# KiCad board EC87.kicad_pcb (continued)
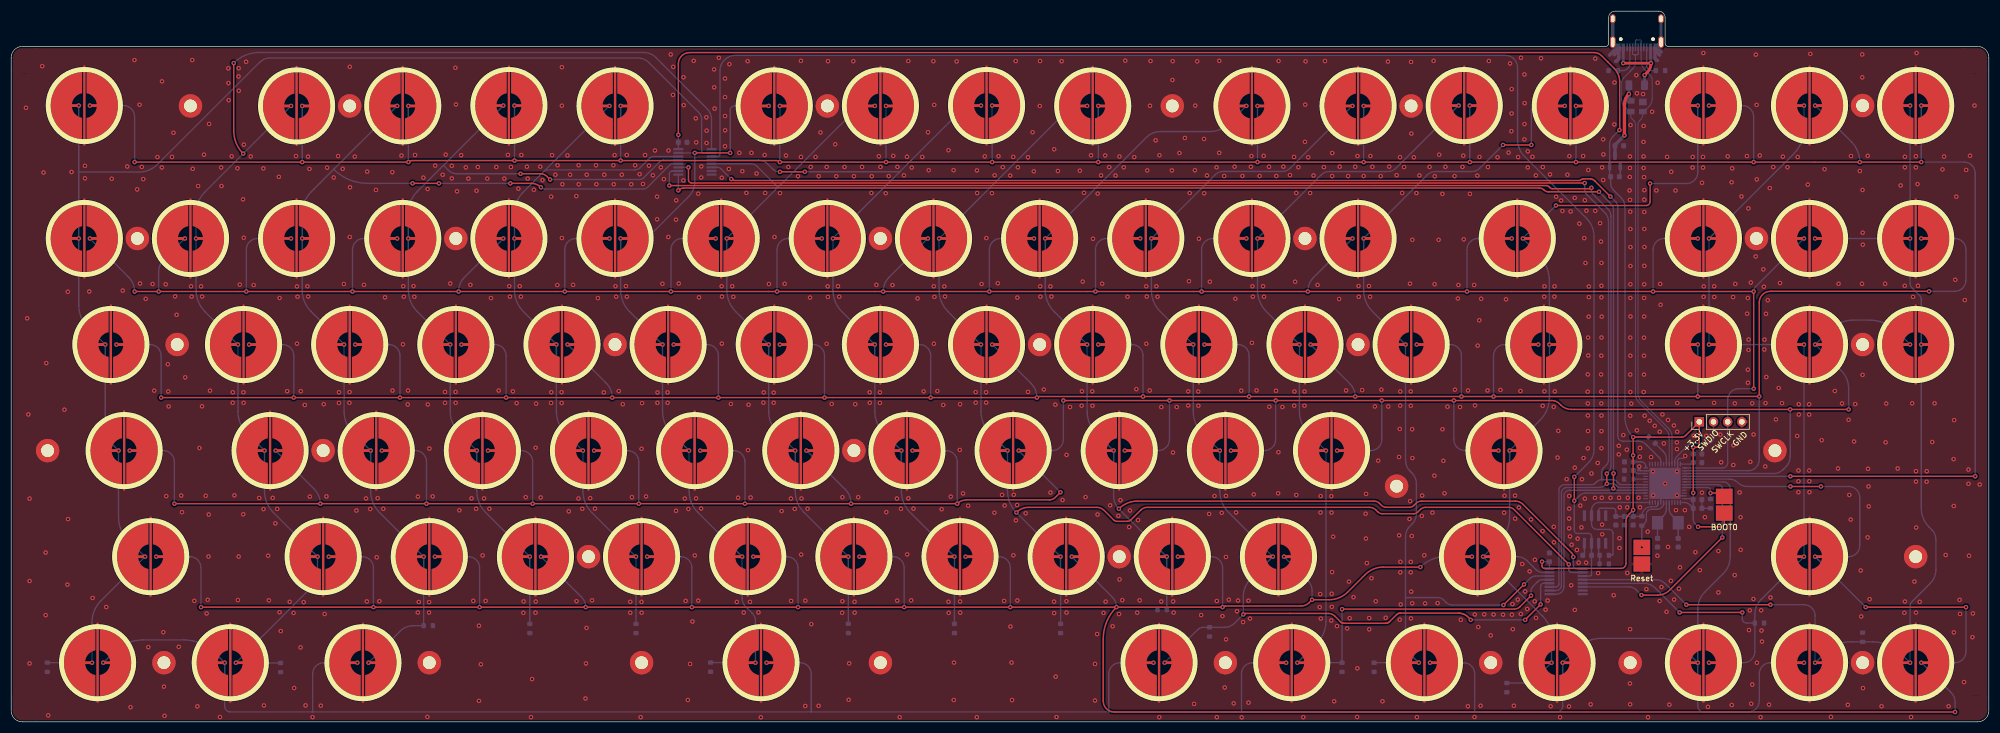
[diagram p0: board, top side]
## Routing (per net, layer and track width the routed paths; a pad name or vN(x,y) marks a point on that pad's centre or on a via; arc(x,y) is an arc through that point)
+5V: length 14.9
  Top w0.6: v1(288.77,105.06) 288.77,110.54 arc(288.98,111.59) v1(289.58,112.48)
  Bottom w0.6: F1.1 v1(289.58,112.48) 289.58,111.75 arc(289.62,111.55) 289.73,111.39 D1.4 ; 287.07,101.39 U5.3 arc(287.08,101.39) 287.08,101.4 C15.1 arc(287.11,103.35) 287.19,103.48 v1(288.77,105.06)
GND: length 52.4
  Top w0.6: USB1.13 286.86,121.77 ; USB1.13 295.14,121.77
  Bottom w0.25: U1.49 v1(296.07,42.7) v1(298.17,40.6) 298.28,40.49 U1.47 ; U1.49 295.28,41.99 U1.8 ; U1.49 v1(298.16,44.87) 298.28,44.99 U1.35 298.28,46.94 298.54,47.2 299.36,47.2 ; U1.49 v1(293.89,44.88) 293.78,44.99 U1.23 291.73,44.99 ; U5.1 288.02,97.81 287.86,97.65 ; C5.2 C2.2 302.64,38.25 R6.2 ; U3.4 281.61,30.12 arc(281.53,29.92) C10.2 ; 291.73,44.99 291.47,45.25 291.47,45.5 ; 291.73,44.99 291.28,44.99 arc(291.24,44.99) 291.2,45.02 291.2,45.2 arc(291.21,45.22) 291.21,45.23
  Bottom w0.6: USB1.13 286.68,122.42 arc(286.8,121.82) 287.14,121.31 287.54,120.92 arc(287.61,120.87) 287.69,120.85 ; 287.18,118.34 287.26,118.34 arc(287.32,118.35) 287.38,118.39 287.55,118.56 arc(287.72,118.81) 287.78,119.1 287.78,120.76 ; 294.32,120.85 294.35,120.85 arc(294.46,120.83) 294.56,120.77 295.34,119.99 ; 294.32,120.85 arc(294.26,120.83) 294.23,120.76 ; 294.32,120.85 arc(294.4,120.87) 294.47,120.92 294.87,121.31 arc(295.2,121.82) 295.32,122.42 USB1.13 ; 294.32,120.85 arc(294.26,120.83) 294.23,120.76 ; 286.11,119.43 287.45,120.77 arc(287.55,120.83) 287.66,120.85 287.69,120.85 ; 287.78,120.76 287.78,120.57 arc(287.73,120.32) 287.58,120.1 286.97,119.49 ; 287.78,120.76 arc(287.75,120.83) 287.69,120.85 ; 287.78,120.76 arc(287.75,120.83) 287.69,120.85 ; 287.69,120.85 287.57,120.85 ; 294.71,118.49 294.63,118.49 arc(294.56,118.5) 294.49,118.54 294.39,118.65 arc(294.27,118.82) 294.23,119.03 294.23,120.76 ; 294.23,120.76 294.23,120.56 arc(294.28,120.29) 294.44,120.06 295.07,119.43
  vias: v1(2.64,110.01) v1(2.86,72.3) v1(3.07,55.07) v1(3.29,39.99) v1(3.29,25.23) v1(3.29,10.47) v1(5.55,117.47) v1(5.79,98.41) v1(6.17,30.33) v1(6.17,19.12) v1(6.27,64.27) v1(6.62,1.16) v1(9.53,55.93) v1(10.07,24.58) v1(10.14,77.05) v1(10.18,36.32) v1(10.81,98.5) v1(13.2,99.61) v1(13.2,97.38) v1(13.97,77.1) v1(14.58,22.2) v1(17.02,20.57) v1(18,97.29) v1(19.96,77.27) v1(20.77,99.49) v1(21.36,2.63) v1(22.06,118.56) v1(22.54,95.39) v1(22.97,110.56) v1(23.06,78.53) v1(23.38,99.42) v1(23.64,97.24) v1(24.08,75.79) v1(24.54,13.39) v1(25.31,78.44) v1(25.6,59.33) v1(26.17,101.18) v1(26.99,114.75) v1(26.96,99.32) v1(27.22,16.07) v1(27.34,6.31) v1(27.45,1.08) v1(27.66,78.39) v1(27.75,40.44) v1(28.04,64.07) v1(28.11,59.19) v1(28.19,56.51) v1(28.78,101.2) v1(29.05,105.54) v1(29.34,76.23) v1(29.61,72.92) v1(30,13.44) v1(30.43,40.54) v1(30.57,37.57) v1(31.15,61.72) v1(32.19,78.02) v1(32.3,76.19) v1(32.4,118.56) v1(32.5,99.07) v1(32.78,21.67) v1(33.32,2.78) v1(33.46,95.99) v1(33.69,49.06) v1(33.99,78.02) v1(34.18,76.2) v1(34.16,56.53) v1(34.51,101.61) v1(34.83,40.49) v1(34.98,19.42) v1(35.17,21.86) v1(35.31,29.62) v1(35.42,107.12) v1(35.36,37.14) v1(35.58,59.33) v1(37.37,0.86) v1(37.58,99.31) v1(37.63,95.99) v1(38.87,117.08) v1(38.89,114.43) v1(38.94,111.37) v1(39.47,101.31) v1(39.66,59.05) v1(39.65,57.17) v1(39.96,40.58) v1(40.5,99.18) v1(40.58,21.82) v1(40.72,117.1) v1(40.7,115.63) v1(40.72,29.62) v1(40.74,113.06) v1(40.92,78.34) v1(41.5,93.61) v1(41.58,59.04) v1(41.6,57.15) v1(41.54,37.19) v1(41.65,103.41) v1(41.64,86.72) v1(42.05,118.25) v1(42.87,101.29) v1(43.41,78.25) v1(44.39,40.11) v1(45.14,99.15) v1(45.16,38.11) v1(45.24,2.95) v1(45.99,29.76) v1(46.13,21.77) v1(46.81,40.13) v1(47.28,35.56) v1(47.61,38.15) v1(47.91,97.64) v1(48.05,75.94) v1(48.04,19.64) v1(48.25,16.26) v1(49.4,59.24) v1(49.85,21.51) v1(50.55,19.51) v1(50.65,6.06) v1(50.98,101.36) v1(51.15,78.01) v1(51.16,67.75) v1(51.25,76.17) v1(51.8,13.34) v1(51.84,59.24) v1(52.36,21.45) v1(52.55,56.77) v1(52.69,2.95) v1(53.03,78.03) v1(53.14,101.26) v1(53.16,76.2) v1(53.38,99.06) v1(53.46,40.35) v1(53.94,0.84) v1(55.42,2.9) v1(55.95,56.91) v1(56.11,19.32) v1(56.43,40.39) v1(56.54,99.28) v1(57.74,97.53) v1(58.52,101.36) v1(58.67,59.05) v1(58.67,57.14) v1(59.34,99.07) v1(59.55,78.44) v1(60.6,117.36) v1(60.6,86.86) v1(60.56,59.08) v1(60.54,57.15) v1(60.65,95.77) v1(61.5,101.27) v1(61.79,37.86) v1(63.14,78.29) v1(63.52,40.03) v1(63.72,98.58) v1(63.66,21.58) v1(64.27,38.14) v1(65.29,95.29) v1(65.43,29.48) v1(65.6,40.07) v1(65.91,21.62) v1(66.6,38.17) v1(66.91,76.06) v1(68.22,98.48) v1(68.25,59.35) v1(69.85,101.45) v1(70.12,67.64) v1(70.18,78.04) v1(70.29,76.17) v1(70.98,56.86) v1(71.03,59.35) v1(72.02,78.06) v1(72.17,76.16) v1(72.29,101.55) v1(72.8,40.35) v1(72.79,19.59) v1(72.96,21.48) v1(73.78,97.49) v1(74.5,0.89) v1(74.54,95.46) v1(74.57,56.86) v1(74.81,21.45) v1(74.8,19.59) v1(74.86,48.96) v1(75.44,40.39) v1(75.9,99.64) v1(77.23,98.01) v1(77.66,59.1) v1(77.65,57.15) v1(77.78,101.62) v1(78.6,78.53) v1(78.87,99.61) v1(78.87,97.36) v1(79.5,117.18) v1(79.61,110.61) v1(79.55,59.11) v1(79.56,57.16) v1(79.8,95.05) v1(80.22,37.9) v1(80.54,101.52) v1(81.38,99.34) v1(81.84,97.33) v1(82.19,78.29) v1(82.4,40.03) v1(82.71,21.67) v1(83.22,38.17) v1(83.29,95.15) v1(83.53,99.4) v1(83.73,17.22) v1(83.73,3.76) v1(84.07,10.32) v1(84.39,29.81) v1(84.65,40.03) v1(84.92,21.67) v1(85.22,97.33) v1(85.59,38.18) v1(85.87,75.92) v1(86.83,99.4) v1(87.26,59.35) v1(88.27,97.33) v1(88.91,101.57) v1(89.16,78.05) v1(89.27,76.18) v1(89.46,99.4) v1(89.8,59.21) v1(90.47,57.1) v1(90.78,95.52) v1(91.03,78.05) v1(91.23,76.18) v1(91.31,101.56) v1(91.73,21.58) v1(91.68,19.53) v1(92.1,40.25) v1(92.32,99.45) v1(92.45,97.33) v1(93.05,0.84) v1(93.24,7.67) v1(93.56,95.32) v1(93.87,49.11) v1(93.9,21.56) v1(93.85,19.56) v1(93.96,57.01) v1(94.71,99.46) v1(94.78,40.2) v1(95.11,97.05) v1(96.65,94.09) v1(96.67,59.06) v1(96.63,57.13) v1(96.82,101.53) v1(97.4,98.02) v1(97.8,99.72) v1(97.75,78.25) v1(98.52,59.06) v1(98.57,117.29) v1(98.57,110.39) v1(98.57,86.67) v1(98.54,57.13) v1(98.65,96.31) v1(99.58,101.48) v1(99.81,37.71) v1(100.04,98.02) v1(100.58,78.29) v1(101.15,94.19) v1(101.19,21.62) v1(101.56,99.72) v1(101.59,96.31) v1(101.54,40.01) v1(102.22,38.18) v1(102.79,4.19) v1(102.88,10.47) v1(103.02,98.02) v1(102.98,16.83) v1(103.64,40.07) v1(103.97,21.77) v1(104.49,38.2) v1(104.69,99.72) v1(104.75,96.31) v1(105.02,75.92) v1(106.08,59.02) v1(106.16,98.02) v1(107.8,99.72) v1(107.86,96.31) v1(108.01,101.53) v1(108.17,78.05) v1(108.28,76.17) v1(108.76,59.26) v1(109.29,98.02) v1(109.48,56.91) v1(110.03,78.06) v1(110.19,101.56) v1(110.21,76.17) v1(110.81,21.51) v1(110.81,19.55) v1(110.99,96.31) v1(111.11,40.25) v1(111.69,99.72) v1(112.49,98.11) v1(112.67,0.84) v1(112.83,48.92) v1(112.83,21.5) v1(112.92,57.1) v1(112.85,19.55) v1(113.08,96.36) v1(113.46,101.54) v1(113.64,40.39) v1(114.16,99.64) v1(114.86,97.92) v1(115.24,102.36) v1(115.61,94.09) v1(115.62,90.04) v1(115.69,59.01) v1(115.67,57.16) v1(116.28,99.34) v1(116.57,78.48) v1(116.83,97.23) v1(117.49,59.03) v1(117.49,57.17) v1(117.62,86.86) v1(117.66,102.36) v1(118.05,119.56) v1(118.5,117.34) v1(118.46,112.32) v1(119,89.97) v1(119.01,37.81) v1(119.04,93.43) v1(119.49,78.53) v1(120.32,96.99) v1(120.34,115.48) v1(120.38,110.48) v1(120.57,40.01) v1(120.73,21.67) v1(121.12,3.91) v1(121.21,38.14) v1(121.51,10.37) v1(121.94,17.98) v1(122.17,118.42) v1(122.36,29.81) v1(122.54,108.12) v1(122.61,103.82) v1(122.59,40.04) v1(122.98,94.62) v1(122.98,21.72) v1(123.12,76.06) v1(123.51,97.53) v1(123.5,38.22) v1(123.53,99.51) v1(124.44,108.3) v1(124.48,105.92) v1(124.47,103.71) v1(125.82,116.89) v1(125.84,113.68) v1(125.91,109.87) v1(126.67,118.96) v1(127.19,97.48) v1(127.17,78.04) v1(127.22,76.19) v1(127.2,67.76) v1(127.78,115.26) v1(127.77,111.92) v1(127.78,108.53) v1(127.79,105.98) v1(127.78,103.12) v1(128.46,99.05) v1(128.56,117.83) v1(128.82,56.96) v1(129.06,78.04) v1(129.26,76.15) v1(129.89,21.48) v1(130.11,40.15) v1(130.33,101.95) v1(130.87,98.65) v1(131.13,19.59) v1(131.59,94.76) v1(131.82,118.36) v1(131.88,48.68) v1(131.98,56.82) v1(132.24,21.5) v1(132.36,40.2) v1(132.5,101.94) v1(133.42,98.24) v1(133.76,19.62) v1(134.19,0.82) v1(134.7,59.02) v1(134.65,57.19) v1(134.87,101.55) v1(134.96,94.76) v1(135.63,78.44) v1(136.49,58.98) v1(136.49,57.17) v1(136.63,86.86) v1(137.61,94.73) v1(137.91,37.76) v1(138.45,78.48) v1(138.68,101.46) v1(139.11,99.4) v1(139.57,40) v1(139.59,21.66) v1(140.26,38.15) v1(140.84,97.75) v1(141.36,118.42) v1(141.37,101.2) v1(141.4,29.97) v1(141.46,40.01) v1(142.16,21.72) v1(142.14,2.84) v1(142.55,38.18) v1(142.99,76.01) v1(143.11,99.41) v1(143.21,17.51) v1(143.99,101.2) v1(144.54,97.76) v1(144.53,2.87) v1(144.87,105.58) v1(145.97,99.41) v1(145.96,67.73) v1(146.21,118.36) v1(146.15,78.02) v1(146.19,76.13) v1(146.87,56.96) v1(147.5,103.48) v1(147.69,97.75) v1(148,78.04) v1(148.22,76.17) v1(148.79,40.25) v1(148.78,21.61) v1(148.74,19.54) v1(149.17,99.4) v1(149.9,3.95) v1(150,10.47) v1(150.74,118.36) v1(150.85,97.75) v1(150.96,21.52) v1(150.98,19.57) v1(151.08,56.91) v1(151.61,40.25) v1(152.31,99.41) v1(153.67,59.04) v1(153.68,57.17) v1(153.97,94.75) v1(154.04,97.75) v1(154.87,78.29) v1(155.32,101.33) v1(155.5,59.03) v1(155.5,57.14) v1(155.59,99.42) v1(156.54,94.71) v1(156.64,37.57) v1(157.08,97.77) v1(157.75,78.25) v1(157.89,101.39) v1(158.54,40) v1(158.59,21.72) v1(158.63,99.42) v1(159.04,0.84) v1(159.26,38.17) v1(159.8,97.91) v1(160.35,101.23) v1(160.37,30) v1(160.58,118.38) v1(160.59,40.04) v1(161.09,21.77) v1(161.19,99.3) v1(161.5,38.2) v1(162.24,75.87) v1(163.08,101.19) v1(163.34,59.21) v1(164.11,105.63) v1(164.24,98.83) v1(165.07,118.36) v1(165.22,110.53) v1(165.15,78.03) v1(165.16,67.73) v1(165.26,76.14) v1(165.78,59.26) v1(166.55,38.09) v1(166.84,56.77) v1(167.03,78.01) v1(167.16,76.21) v1(167.77,102.42) v1(167.77,21.52) v1(167.81,19.52) v1(168.18,40.35) v1(168.69,98.83) v1(168.72,3.91) v1(168.76,10.61) v1(169.23,118.32) v1(169.8,48.72) v1(169.85,56.91) v1(169.85,21.57) v1(169.87,19.57) v1(170.38,40.92) v1(171.29,38.72) v1(172.65,59.08) v1(172.65,57.19) v1(172.86,98.79) v1(172.9,94.74) v1(172.85,0.84) v1(173.69,78.44) v1(174.27,101.31) v1(174.51,59.05) v1(174.52,57.2) v1(174.55,86.67) v1(175.55,94.72) v1(176,37.47) v1(176.04,97.92) v1(176.61,78.58) v1(176.73,101.34) v1(177.36,40.65) v1(177.5,99.38) v1(177.83,38.76) v1(177.74,21.67) v1(178.82,97.87) v1(178.87,17.07) v1(179.06,10.61) v1(179.15,3.91) v1(179.36,101.21) v1(179.39,29.84) v1(179.46,40.68) v1(179.82,118.38) v1(179.84,36.1) v1(180.1,76.01) v1(180.06,38.85) v1(180.1,21.74) v1(180.2,99.35) v1(181.59,37.37) v1(182,101.15) v1(182.01,59.11) v1(182.83,105.63) v1(183.05,98.64) v1(184.12,110.34) v1(184.16,118.39) v1(184.19,78.02) v1(184.23,76.18) v1(184.84,59.54) v1(186.02,78.01) v1(186.03,41.08) v1(186.2,76.2) v1(186.7,102.58) v1(186.68,21.54) v1(186.69,19.48) v1(186.9,56.83) v1(186.96,8.1) v1(187.11,0.86) v1(187.36,98.69) v1(188.03,118.35) v1(188.19,39.74) v1(188.91,47.83) v1(188.89,21.62) v1(188.91,19.58) v1(189.53,56.4) v1(191.29,98.74) v1(191.61,56.64) v1(191.66,59.22) v1(191.8,78.88) v1(192.03,94.78) v1(192.31,40.27) v1(193.29,101.5) v1(193.51,59.21) v1(193.55,56.64) v1(193.65,86.54) v1(194,10.37) v1(194,3.81) v1(194.38,15.73) v1(194.48,94.64) v1(194.46,37.15) v1(195.09,97.9) v1(195.28,78.5) v1(195.53,19.52) v1(195.82,101.47) v1(195.91,21.53) v1(196.54,99.38) v1(196.71,38.79) v1(197.16,17.12) v1(197.68,97.87) v1(198.18,36.92) v1(198.3,19.32) v1(198.39,101.28) v1(198.39,25.52) v1(198.56,39.71) v1(198.88,21.81) v1(199.15,99.35) v1(199.42,118.45) v1(199.82,76.16) v1(200.12,34.9) v1(200.25,37.86) v1(201.02,101.18) v1(201.4,59.61) v1(201.56,19.56) v1(201.71,36.15) v1(201.99,21.77) v1(203.17,78.03) v1(203.18,67.73) v1(203.26,76.2) v1(203.36,98.79) v1(203.8,59.37) v1(203.84,110.37) v1(203.94,118.39) v1(204.86,104.18) v1(204.99,78.03) v1(205.19,76.16) v1(205.51,0.84) v1(205.53,101.51) v1(205.86,56.4) v1(205.86,21.56) v1(207.76,98.79) v1(207.91,118.36) v1(207.87,114.99) v1(207.96,48.26) v1(207.99,21.58) v1(208.08,19.57) v1(208.63,56.4) v1(209.11,101.91) v1(210.09,104.61) v1(210.7,59.2) v1(210.68,56.67) v1(210.82,78.95) v1(210.95,94.74) v1(211.74,3.22) v1(211.88,98.83) v1(211.95,110.4) v1(212.29,118.34) v1(212.48,59.18) v1(212.5,56.64) v1(212.61,86.55) v1(213,19.13) v1(213.52,104.43) v1(213.54,94.7) v1(214.04,97.88) v1(214.43,37.25) v1(214.56,78.85) v1(215.4,40.46) v1(215.76,99.35) v1(215.81,21.65) v1(215.81,0.84) v1(216.23,101.94) v1(216.24,118.42) v1(216.69,37.45) v1(216.82,18.95) v1(217.12,97.79) v1(217.22,6.16) v1(217.43,40.49) v1(217.44,29.54) v1(217.46,14.78) v1(217.95,21.88) v1(218.83,3.31) v1(218.99,99.45) v1(219.13,75.8) v1(219.26,37.52) v1(219.42,19.82) v1(219.6,21.73) v1(220.18,59.33) v1(220.26,0.81) v1(220.39,97.8) v1(220.51,17.87) v1(221.47,21.71) v1(221.48,3.44) v1(221.74,18.5) v1(221.9,99.44) v1(222,101.37) v1(222.09,67.9) v1(222.18,78.03) v1(222.25,76.18) v1(222.42,40.75) v1(222.91,59.38) v1(223.47,97.79) v1(224.09,78.04) v1(224.2,101.4) v1(224.25,76.16) v1(225.15,99.44) v1(225.2,56.45) v1(226.4,59.32) v1(226.45,97.79) v1(226.83,48.31) v1(226.78,40.94) v1(226.87,118.39) v1(227.54,56.4) v1(227.72,99.46) v1(228.89,97.96) v1(229.63,101.2) v1(229.7,59.18) v1(229.66,56.65) v1(229.82,78.85) v1(230.02,94.75) v1(230.03,40.65) v1(230.41,99.37) v1(231.28,0.84) v1(231.51,59.2) v1(231.5,56.64) v1(231.58,103.91) v1(231.69,118.33) v1(231.63,110.57) v1(232.16,101.15) v1(232.51,94.74) v1(233.11,97.87) v1(233.84,78.28) v1(234.31,22.89) v1(234.23,20.55) v1(234.39,40.45) v1(234.37,37.51) v1(234.42,18.5) v1(234.97,99.38) v1(235.17,118.39) v1(236.3,40.43) v1(236.3,18.16) v1(236.34,37.49) v1(236.37,22.95) v1(236.39,20.6) v1(236.46,101.9) v1(236.45,97.78) v1(236.44,26.84) v1(236.63,33.16) v1(236.81,3.68) v1(237.32,17.16) v1(237.7,75.76) v1(237.8,99.45) v1(238.95,59.38) v1(239.14,16.74) v1(239.31,97.78) v1(239.47,25.12) v1(239.59,18.58) v1(240.27,22.34) v1(240.58,99.44) v1(240.92,0.87) v1(240.99,101.37) v1(240.96,9.59) v1(241.18,78.07) v1(241.21,76.16) v1(241.82,59.43) v1(242.09,97.79) v1(242.53,40.84) v1(242.44,37.29) v1(242.5,32.84) v1(242.66,28.44) v1(243.04,78.07) v1(243.08,18.59) v1(243.09,16.58) v1(243.29,101.37) v1(243.24,76.16) v1(243.49,25.72) v1(243.65,99.43) v1(244.11,56.5) v1(244.26,21.61) v1(244.7,46.79) v1(245.15,97.78) v1(245.26,59.51) v1(245.46,3.68) v1(246.04,18.65) v1(246.43,118.29) v1(246.5,56.5) v1(246.67,99.46) v1(248,97.94) v1(248.42,47.45) v1(248.44,33.42) v1(248.6,101.16) v1(248.56,52.48) v1(248.54,18.3) v1(248.64,59.18) v1(248.63,56.65) v1(248.67,28.67) v1(248.65,26.79) v1(248.72,21.03) v1(248.98,94.75) v1(249.33,99.39) v1(250.29,36.35) v1(250.38,78.5) v1(250.41,39.54) v1(250.51,59.2) v1(250.53,56.63) v1(250.52,28.66) v1(250.52,26.79) v1(250.58,118.23) v1(250.59,23.33) v1(250.55,18.54) v1(250.63,105.39) v1(250.71,33.29) v1(250.81,86.36) v1(250.77,52.43) v1(250.81,47.26) v1(250.78,21.23) v1(251.08,101.14) v1(251.53,94.73) v1(251.62,0.84) v1(252.07,97.89) v1(252.5,36.9) v1(252.56,40.54) v1(252.94,29.84) v1(253.09,21.22) v1(253.89,99.42) v1(254.4,37.49) v1(254.61,118.42) v1(254.82,97.75) v1(254.79,78.41) v1(254.74,44.1) v1(255.33,21.27) v1(255.51,86.36) v1(255.61,101.61) v1(256.18,94.59) v1(256.2,52.42) v1(256.35,46.77) v1(256.56,40.94) v1(256.73,99.43) v1(257.09,56.45) v1(258.37,97.78) v1(258.43,59.51) v1(258.95,75.84) v1(259.05,78.26) v1(259.34,56.4) v1(259.49,18.28) v1(259.78,99.42) v1(259.92,101.43) v1(260.01,86.45) v1(260.77,59.37) v1(260.75,2.8) v1(261.11,94.59) v1(261.87,78.26) v1(262.02,56.69) v1(261.98,19.24) v1(261.93,0.87) v1(262.44,97.86) v1(262.5,67.41) v1(262.6,16.99) v1(262.82,101.21) v1(262.78,71.96) v1(263.02,2.89) v1(263.12,75.79) v1(263.67,19.26) v1(264.27,59.37) v1(264.34,99.4) v1(264.5,118.39) v1(264.83,15.49) v1(265.35,19.23) v1(266.05,101.15) v1(266.57,59.47) v1(267.04,19.2) v1(267.3,40.5) v1(267.23,37.46) v1(267.57,75.7) v1(268.03,101.98) v1(268.3,117.95) v1(268.59,113.36) v1(268.57,109) v1(268.54,105.82) v1(268.62,19.19) v1(268.72,21.1) v1(268.79,16.61) v1(268.98,2.88) v1(269.19,40.53) v1(269.2,36.4) v1(269.67,21.91) v1(269.74,101.18) v1(269.88,38.41) v1(270.16,59.27) v1(270.22,19.33) v1(270.24,118.97) v1(270.47,28.27) v1(270.87,115.98) v1(270.9,110.84) v1(270.87,107.09) v1(270.86,104.35) v1(271,23.36) v1(271.37,20.22) v1(271.47,102.21) v1(271.46,99.33) v1(271.8,26.96) v1(272.04,36.27) v1(272.3,101.22) v1(272.71,21.6) v1(272.74,29.03) v1(272.92,97.9) v1(272.94,18.63) v1(273.83,118.89) v1(274.12,34.17) v1(274.16,99.39) v1(274.14,56.63) v1(274.41,76.16) v1(274.45,78.02) v1(274.45,59.22) v1(274.65,20.1) v1(275.02,21.74) v1(275.46,98.08) v1(275.56,2.79) v1(276.12,56.43) v1(276.12,34.94) v1(276.15,32.16) v1(276.25,78.02) v1(276.24,76.18) v1(276.3,59.21) v1(276.54,94.07) v1(276.79,47.34) v1(276.93,52.13) v1(277.25,0.84) v1(277.44,93.4) v1(277.66,91.53) v1(278.42,43.48) v1(278.57,98.02) v1(278.91,101.36) v1(278.89,40.46) v1(278.89,38.19) v1(278.87,36.41) v1(278.88,34.67) v1(278.84,2.76) v1(279.03,33.23) v1(279.14,91.44) v1(279.31,31.74) v1(279.24,24.47) v1(279.88,93.87) v1(279.88,45.54) v1(279.89,20.06) v1(280.26,30.8) v1(280.4,32.82) v1(280.57,28.52) v1(280.7,89.25) v1(280.87,38.75) v1(281.07,34.84) v1(281.17,43.46) v1(281.38,101.36) v1(281.45,47.26) v1(281.57,86.66) v1(281.68,93.45) v1(281.68,39.99) v1(281.78,82.21) v1(281.91,28.52) v1(281.97,91.58) v1(282.21,62.24) v1(282.19,59.15) v1(282.21,57.04) v1(282.22,54.88) v1(282.21,49) v1(282.3,98.86) v1(282.27,68.85) v1(282.3,65.63) v1(282.25,52.1) v1(282.4,78) v1(282.4,76.09) v1(282.37,72.59) v1(282.73,3.14) v1(282.87,44.51) v1(283.49,40.13) v1(283.55,118.83) v1(283.54,91.55) v1(283.99,46.38) v1(284.06,26.65) v1(284.41,89.34) v1(284.57,86.05) v1(284.59,62.24) v1(284.62,59.14) v1(284.65,82.22) v1(284.65,78.12) v1(284.65,76.06) v1(284.7,72.59) v1(284.66,68.85) v1(284.63,65.6) v1(284.63,57.05) v1(284.65,54.88) v1(284.65,52.08) v1(284.65,49.02) v1(284.72,40.14) v1(284.77,99.34) v1(284.77,35.33) v1(284.79,33.6) v1(284.96,104.36) v1(285.01,101.66) v1(284.96,97.08) v1(286.28,40.15) v1(286.85,22.68) v1(286.99,114.54) v1(286.96,107.03) v1(287.76,49.45) v1(287.76,47.91) v1(287.81,40.14) v1(287.88,32.9) v1(287.88,31.16) v1(287.94,38.44) v1(288.57,51.38) v1(289.2,48.76) v1(289.27,38.43) v1(289.28,26.67) v1(289.37,40.15) v1(289.69,95.2) v1(289.75,101.29) v1(289.75,99.23) v1(289.73,97.62) v1(289.77,93.51) v1(289.81,91.4) v1(289.83,75.95) v1(289.82,68.84) v1(289.83,65.6) v1(289.82,62.22) v1(289.82,59.09) v1(289.81,54.84) v1(289.79,16.61) v1(289.76,6.88) v1(289.79,3.14) v1(289.87,106.92) v1(289.84,88.29) v1(289.85,85.05) v1(289.84,81.67) v1(289.84,78.4) v1(289.85,72.63) v1(289.99,57.01) v1(290.91,115.85) v1(291.01,112.62) v1(291,52.24) v1(291.3,40.15) v1(291.52,47.47) v1(291.43,45.74) v1(291.56,49.07) v1(291.56,38.44) v1(292.11,112.46) v1(292.21,106.76) v1(292.18,103.9) v1(292.2,101.29) v1(292.2,99.23) v1(292.22,59.1) v1(292.28,97.59) v1(292.33,93.55) v1(292.32,91.35) v1(292.33,88.31) v1(292.33,81.69) v1(292.31,78.39) v1(292.3,75.95) v1(292.3,72.62) v1(292.27,68.83) v1(292.28,65.59) v1(292.27,62.21) v1(292.34,95.26) v1(292.34,85.07) v1(292.39,54.84) v1(292.7,23.78) v1(292.93,34.08) v1(292.99,0.83) v1(293.29,53.95) v1(293.54,47.44) v1(293.68,57.1) v1(293.73,109.3) v1(293.93,40.59) v1(294.19,53.04) v1(294.49,95.21) v1(294.72,114.5) v1(294.67,29.77) v1(295.08,51.98) v1(295.07,21.65) v1(295.17,78.46) v1(295.24,74.72) v1(295.39,24.16) v1(295.57,55.08) v1(295.83,49.88) v1(296.3,19.71) v1(296.41,101.21) v1(296.57,54.09) v1(296.57,31.33) v1(296.81,3.08) v1(297.08,25.26) v1(297.14,98.54) v1(297.62,53.1) v1(297.66,21.9) v1(297.91,95.19) v1(297.99,37.93) v1(298.22,51.98) v1(298.16,50.07) v1(298.16,48.87) v1(298.23,57.11) v1(298.53,23.85) v1(298.72,27.69) v1(299.59,37.93) v1(299.64,47.64) v1(300.36,34.93) v1(300.99,101.21) v1(300.96,99.3) v1(301.19,51.25) v1(301.47,30.4) v1(302.27,27.18) v1(302.65,96.57) v1(302.65,41.06) v1(302.83,101.21) v1(302.89,119.82) v1(302.84,99.3) v1(302.97,78.01) v1(302.94,76.14) v1(303.17,36.67) v1(303.43,51.25) v1(303.71,2.69) v1(304.83,78.03) v1(304.81,57.15) v1(304.85,76.12) v1(305.59,30.6) v1(305.59,23.19) v1(305.94,51.46) v1(306.08,46.5) v1(307.26,101.31) v1(307.96,96.67) v1(307.98,3.02) v1(308.06,99.16) v1(308.22,76.1) v1(308.28,49.54) v1(308.26,46.01) v1(308.53,57.05) v1(308.52,26.29) v1(308.6,78.46) v1(309.39,41.1) v1(309.55,36.66) v1(309.58,30.82) v1(309.72,94.13) v1(310.69,101.36) v1(310.73,73.12) v1(310.86,75.93) v1(310.87,63.1) v1(310.87,60.76) v1(310.96,91.99) v1(311,68.49) v1(310.98,66.63) v1(311.06,16.44) v1(311.21,19.98) v1(311.3,46.59) v1(311.39,78.7) v1(311.46,3.24) v1(311.64,57.07) v1(311.65,6.69) v1(311.89,51.48) v1(311.86,22.01) v1(312.3,119.53) v1(312.26,83.38) v1(312.43,110.53) v1(312.46,97.19) v1(312.48,10.58) v1(312.99,101.46) v1(313.14,0.84) v1(313.24,19.99) v1(313.3,16.35) v1(313.38,14.38) v1(313.64,81.06) v1(313.73,77.95) v1(313.81,66.71) v1(313.84,68.48) v1(314.02,57.1) v1(313.98,45.76) v1(314.11,73.1) v1(314.16,61.78) v1(314.43,75.53) v1(314.65,3.08) v1(314.79,95.63) v1(314.91,22.27) v1(315.4,99.39) v1(315.89,54.19) v1(316.38,59.8) v1(316.62,78.62) v1(316.97,57.1) v1(317.13,101.26) v1(317.96,99.37) v1(319.69,51.22) v1(319.79,101.19) v1(319.92,43.1) v1(319.91,41.14) v1(319.97,56.9) v1(319.99,55.05) v1(319.93,45.03) v1(321.6,96.24) v1(321.83,56.9) v1(321.83,55.05) v1(321.86,45.02) v1(321.86,43.11) v1(321.89,41.15) v1(322.04,119.66) v1(324.09,50.47) v1(324.59,99.02) v1(325.73,0.88) v1(326.43,59.28) v1(327.01,45.39) v1(327.1,78.48) v1(327.72,57.05) v1(328.76,3.05) v1(328.89,54.12) v1(329.02,40.65) v1(329.32,101.37) v1(329.27,36.24) v1(329.88,50.23) v1(330.08,56.93) v1(330.91,98.69) v1(331.06,27.12) v1(331.15,18.88) v1(331.33,119.57) v1(331.29,78.48) v1(331.34,115.46) v1(331.39,95.29) v1(331.42,87.63) v1(331.4,62.16) v1(331.44,85.48) v1(331.47,6.05) v1(332.32,101.4) v1(332.3,33.05) v1(332.37,45.34) v1(332.46,42.18) v1(332.5,38.61) v1(332.65,21.98) v1(334.79,2.79) v1(335.43,78.48) v1(335.53,50.08) v1(335.63,57.03) v1(337.68,45.39) v1(338.21,96.1) v1(338.87,19.54) v1(338.97,101.23) v1(338.97,99.35) v1(338.94,78.12) v1(338.97,21.57) v1(340.08,0.86) v1(340.27,57.07) v1(340.43,76.14) v1(340.67,25.14) v1(340.94,101.34) v1(340.93,99.33) v1(340.95,44.91) v1(340.95,43.05) v1(340.99,34.81) v1(340.96,19.57) v1(341.06,119.82) v1(341.23,96.33) v1(341.31,78.12) v1(341.62,21.5) v1(342.89,44.9) v1(342.87,43.02) v1(343.86,50.13) v1(344.29,57.07) v1(345.7,98.98) v1(345.99,101.27) v1(346.28,29.89) v1(346.79,2.79) v1(347.69,47.07) v1(347.72,38.67) v1(347.79,54.06) v1(347.74,16.03) v1(347.98,79.19) v1(348.17,94.08) v1(348.77,21.85) v1(348.84,19.33) v1(349.56,7.13) v1(349.7,75.56) v1(349.94,98.88) v1(350.35,45.2) v1(350.35,42.66) v1(350.45,29.76) v1(350.63,101.42) v1(351.06,15.17) v1(351.14,19.42) v1(351.44,110.41) v1(352.36,42.52)
VBAT: length 367.8
  Top w0.25: v1(287.86,106.01) 287.93,106.07 287.93,114.65 arc(287.66,115.98) 286.91,117.11 284.68,119.34 arc(284.06,119.75) 283.34,119.9 121.42,119.9 arc(120.01,119.31) 119.42,117.9 v1(119.42,105.16) ; v1(301.95,34.94) 306.1,34.94 arc(306.49,35.09) 306.64,35.48 SW1.1 ; v1(274.01,28.7) 274.01,27.92 arc(274.14,27.62) 274.43,27.5 288.19,27.5 arc(288.8,27.75) 289.05,28.36 289.05,35.98 arc(289.18,36.6) 289.53,37.14 v1(290.33,37.94) v1(290.33,47.74) v1(290.33,51.01) 299.01,51.01 arc(299.4,51.08) 299.73,51.3 J1.1 302.17,49.68 arc(302.03,49.32) 301.67,49.18 v1(301.09,49.18) 301.09,40.82
  Bottom w0.25: v1(301.09,49.18) 301.09,49.17 301.09,46.44 300.83,46.17 U1.36 ; v1(274.01,28.7) 274.02,28.69 C11.2 275.34,27.42 arc(275.35,27.42) U4.16 arc(275.35,27.42) 275.35,27.42 ; C6.1 C7.1 arc(288.78,36.8) 288.78,36.8 287.23,36.8 287.23,37.75 arc(287.08,38.11) 286.71,38.27 284.45,38.27 arc(284.24,38.18) 284.15,37.97 U3.7 ; C6.1 v1(290.33,37.94) ; C6.1 R4.1 291.88,36.86 arc(292.37,38.05) 293.56,38.54 294.38,38.54 arc(294.5,38.56) 294.59,38.63 294.69,38.73 arc(294.76,38.82) 294.78,38.94 U1.9 ; 301.09,38.25 301.09,36.22 arc(301.17,35.83) 301.39,35.5 v1(301.95,34.94) ; 301.09,38.25 301.09,39.81 ; 301.09,38.25 301.09,38.28 300.49,38.88 arc(300.03,39.19) 299.48,39.3 U1.1 ; U1.48 300.91,39.99 301.09,39.81 ; 301.09,39.81 301.09,40.81 301.09,40.82 ; R3.2 293.05,51.01 v1(290.33,51.01) arc(289.25,52.63) 288.86,54.56 288.86,92.24 arc(288.68,93.14) 288.17,93.91 286.81,95.27 arc(286.44,95.83) 286.31,96.48 C16.1 286.12,97.83 U5.2 286.12,103.45 arc(286.27,104.2) 286.7,104.85 v1(287.86,106.01) ; U2.16 C9.2 119.42,105.14 arc(119.42,105.15) v1(119.42,105.16) ; v1(290.33,47.74) 290.33,47.73 C3.1 291.78,46.59 arc(292.36,46.35) 292.6,45.77 U1.24
  vias: v1(301.09,41.03)
VBUS: length 15
  Top w0.5: v1(288.56,118) 293.51,118 arc(293.52,118) v1(293.52,118) arc(293.34,117.08) 292.82,116.3 v1(292.38,115.86)
  Bottom w0.5: USB1.2 288.56,120.85 v1(288.56,118) ; F1.2 292.38,115.85 v1(292.38,115.86) ; USB1.11 293.45,118.17 arc(293.47,118.07) v1(293.52,118)
ADC: length 23.1
  Bottom w0.25: 285.98,29.84 286.54,29.84 arc(286.68,29.89) 286.73,30.03 286.73,33.77 arc(286.53,34.26) 286.03,34.47 283.88,34.47 arc(283.18,34.76) 282.88,35.47 U3.6 282.88,37.93 arc(283.28,38.9) 284.25,39.3 U1.12
AMUX_SEL_0: length 255.5
  Top w0.25: v1(281.65,96.53) 121.79,96.53 arc(121.4,96.69) 121.23,97.09 v1(121.23,99.34)
  Bottom w0.25: U4.11 276.56,24.17 arc(276.9,24.32) 277.04,24.66 277.04,41.49 arc(277.34,42.19) 278.04,42.49 282.9,42.49 arc(283.26,42.56) 283.57,42.76 283.83,43.02 arc(284.22,43.28) 284.69,43.38 ; 292.59,42.49 288.18,42.49 arc(288.03,42.52) 287.89,42.61 287.31,43.19 arc(287.1,43.33) 286.86,43.38 284.69,43.38 ; 284.69,43.38 284.69,44.69 arc(284.77,45.1) 285,45.46 285.5,45.95 arc(285.81,46.41) 285.91,46.96 285.91,89.7 arc(285.76,90.5) 285.3,91.18 282.08,94.4 282,94.48 281.87,94.67 281.76,94.87 281.69,95.09 281.66,95.31 281.65,95.43 v1(281.65,96.53) ; U2.11 121.23,99.33 arc(121.23,99.33) v1(121.23,99.34)
AMUX_SEL_1: length 259.2
  Top w0.25: v1(285.61,42.65) v1(285.61,44.47) ; v1(117.81,96.08) 119.08,96.08 244.03,96.08 274.79,96.08 arc(275.06,96.02) 275.29,95.87 275.5,95.66 arc(275.66,95.55) 275.84,95.52 282.47,95.52 arc(282.68,95.56) v1(282.86,95.68)
  Bottom w0.25: U2.10 118.32,98.68 arc(117.99,98.56) 117.82,98.24 117.82,96.08 v1(117.81,96.08) ; U4.10 276.56,23.52 arc(277.22,23.8) 277.49,24.45 277.49,40.99 arc(277.79,41.69) 278.49,41.99 284.15,41.99 arc(284.89,42.13) 285.52,42.55 v1(285.61,42.65) 285.61,42.65 286.85,42.65 arc(286.99,42.6) 287.1,42.52 287.41,42.21 arc(287.66,42.04) 287.94,41.99 U1.17 ; v1(282.86,95.68) 282.86,95.13 arc(282.92,94.84) 283.09,94.6 285.82,91.86 arc(286.22,91.26) 286.36,90.55 286.36,45.85 arc(286.25,45.26) 285.92,44.77 v1(285.61,44.47)
AMUX_SEL_2: length 257.1
  Top w0.25: v1(286.81,44.51) 286.81,41.87 arc(286.81,41.83) v1(286.78,41.8) ; v1(284.21,94.96) 275.14,94.96 arc(274.74,95.04) 274.4,95.26 arc(273.99,95.53) 273.51,95.63 120.41,95.63 arc(119.87,95.52) v1(119.41,95.22)
  Bottom w0.25: v1(286.81,44.51) 286.81,91.77 arc(286.71,92.3) 286.41,92.75 286.13,93.02 286.06,93.1 284.21,94.95 v1(284.21,94.96) ; 292.59,41.49 287.53,41.49 arc(287.13,41.57) v1(286.78,41.8) arc(286.44,41.57) 286.04,41.49 278.94,41.49 arc(278.24,41.19) 277.94,40.49 277.94,24.26 arc(277.54,23.28) 276.56,22.87 U4.9 ; U2.9 119.42,95.23 arc(119.42,95.22) v1(119.41,95.22)
APLEX_EN_PIN_0: length 216.9
  Top w0.25: v1(286.26,94.11) 283.47,96.9 283.4,96.97 283.23,97.09 283.05,97.18 282.86,97.24 282.66,97.27 281.37,97.27 arc(281.15,97.23) 280.96,97.11 arc(280.82,97.01) 280.65,96.98 129.55,96.98 arc(129.19,97.05) v1(128.89,97.25)
  Bottom w0.25: U2.6 126.45,99.33 arc(126.78,99.27) 127.06,99.08 v1(128.89,97.25) ; v1(286.26,94.11) 287.22,93.15 arc(287.49,92.75) 287.58,92.28 287.58,51.17 arc(287.84,50.54) 288.47,50.28 291.25,50.28 arc(291.99,50.13) 292.62,49.71 295.03,47.3 arc(295.22,47.02) 295.28,46.69 U1.29
APLEX_EN_PIN_1: length 45.7
  Top w0.25: v1(291.82,22.71) 294.71,22.71 arc(295.88,22.94) 296.86,23.6 306.29,33.03 v1(306.3,33.03)
  Bottom w0.25: v1(306.3,33.03) 306.3,41.77 arc(306.09,42.28) 305.58,42.49 U1.43 ; U4.6 289.61,24.17 arc(290.3,24.04) 290.88,23.65 v1(291.82,22.71)
APLEX_OUT_PIN_0: length 277.5
  Top w0.25: v1(279.79,39.6) v1(279.79,43.89)
  Bottom w0.25: U4.3 282.62,26.12 arc(282.81,26.2) 282.88,26.39 C10.1 U3.3 282.88,33.25 arc(282.73,33.61) 282.37,33.76 280.28,33.76 arc(279.94,33.9) 279.79,34.25 v1(279.79,39.6) 280.73,40.53 arc(281.23,40.87) 281.83,40.99 U1.15 ; v1(279.79,43.89) 282.39,46.49 arc(283.08,47.52) 283.32,48.73 283.32,87.01 arc(282.98,88.72) 282.02,90.16 270.9,101.28 arc(269.97,102.67) 269.64,104.31 269.64,117.23 arc(269.01,118.77) 267.46,119.41 129.64,119.41 arc(127.69,118.59) 126.87,116.64 126.87,101.65 arc(126.77,101.39) 126.51,101.28 U2.3
BOOT0: length 9.3
  Top w0.25: SW1.2 306.05,40.99 v1(304.17,40.99)
  Bottom w0.25: R6.1 v1(304.17,40.99) 304.17,41.49 arc(304.03,41.84) 303.67,41.99 U1.44
BOOT1: length 2.2
  Bottom w0.25: U1.20 R8.2
COL0: length 255.2
  Top w0.25: v1(14.47,10.59) 13.34,10.59 ; v1(23.97,29.59) 22.93,29.59 ; v1(12.09,110.41) 10.72,110.41 ; v1(19.22,48.59) 18.02,48.59 ; v1(12.09,86.59) 11.02,86.59 ; v1(16.84,67.59) 15.32,67.59
  Bottom w0.25: 12.09,98.5 v1(12.09,110.41) ; 12.09,98.5 v1(12.09,86.59) 12.09,74.6 arc(12.51,72.52) 13.69,70.75 v1(16.84,67.59) 16.84,52.65 arc(17.15,51.1) 18.03,49.78 v1(19.22,48.59) 19.22,36.6 arc(19.63,34.52) 20.81,32.75 v1(23.97,29.59) 16.06,21.69 arc(14.88,19.92) 14.47,17.84 v1(14.47,10.59) arc(14.45,10.61) 14.43,10.61 R15.1 ; 12.09,98.5 22.89,98.5 arc(24.67,98.85) 26.18,99.86 44.52,118.2 arc(45.33,118.75) 46.29,118.94 112.17,118.94 arc(113.24,118.72) 114.14,118.12 123.07,109.19 arc(123.46,108.61) 123.59,107.93 123.59,102.27 arc(123.69,102.03) 123.93,101.93 U2.2
COL1: length 250.9
  Top w0.25: v1(40.22,10.59) 41.68,10.59 ; v1(45.34,48.59) 44,48.59 ; v1(33.09,86.59) 34.75,86.59 ; v1(54.84,29.59) 53.21,29.59 ; v1(50.09,110.34) 48.93,110.34 ; v1(39.83,118.02) 39.83,105.91 arc(40.28,103.68) v1(41.54,101.79) ; v1(40.59,67.59) 39.16,67.59
  Bottom w0.25: U2.1 125.37,107.94 arc(125.16,108.97) 124.58,109.84 115.4,119.02 arc(114.41,119.68) 113.23,119.92 44.42,119.92 arc(41.94,119.42) v1(39.83,118.02) ; v1(50.09,110.34) v1(41.54,101.79) 34.69,94.94 arc(33.51,93.17) 33.09,91.09 v1(33.09,86.59) 33.09,77.35 arc(33.51,75.27) 34.69,73.5 v1(40.59,67.59) 40.59,55.6 arc(41.01,53.52) 42.19,51.75 v1(45.34,48.59) 45.34,41.35 arc(45.76,39.27) 46.94,37.5 v1(54.84,29.59) 54.84,27.41 arc(54.44,25.39) 53.3,23.67 v1(40.22,10.59) arc(40.27,10.56) 40.32,10.55 R13.1
COL2: length 193.4
  Top w0.25: v1(89.35,96.47) 93.11,96.47 arc(94.03,96.29) v1(94.81,95.77) ; v1(69.09,110.34) 67.41,110.34 ; v1(52.09,86.59) 53.85,86.59 ; v1(63.97,10.59) 64.95,10.59 ; v1(76.57,96.47) v1(71.85,96.47) ; v1(64.34,48.59) 63.15,48.59 ; v1(73.84,29.59) 72.77,29.59 ; v1(59.59,67.59) 58.05,67.59
  Bottom w0.25: U2.12 118.31,99.98 arc(118.14,99.95) 117.99,99.85 113.9,95.77 arc(113.56,95.54) 113.15,95.46 95.56,95.46 arc(95.16,95.54) v1(94.81,95.77) ; 57.74,98.98 53.69,94.94 arc(52.51,93.17) 52.09,91.09 v1(52.09,86.59) 52.09,77.35 arc(52.51,75.27) 53.69,73.5 v1(59.59,67.59) 59.59,55.6 arc(60.01,53.52) 61.19,51.75 v1(64.34,48.59) 64.34,41.35 arc(64.76,39.27) 65.94,37.5 v1(73.84,29.59) 73.84,17.23 ; 57.74,98.98 v1(69.09,110.34) ; 57.74,98.98 arc(60.52,97.12) 63.81,96.47 v1(71.85,96.47) ; v1(63.97,10.59) 69.63,16.26 arc(70.71,16.97) 71.97,17.23 R12.1 ; v1(76.57,96.47) v1(89.35,96.47)
COL3: length 158.4
  Top w0.25: v1(78.59,67.59) 77.3,67.59 ; v1(96.46,97.16) 95.93,97.69 arc(95.38,98.06) 94.73,98.19 v1(91.17,98.19) ; v1(83.34,48.59) 82.7,48.59 ; v1(71.09,86.59) 72.77,86.59 ; v1(92.84,29.59) 91.47,29.59 ; v1(88.09,110.41) 86.92,110.41
  Bottom w0.25: U2.13 116.78,100.63 arc(116.41,100.55) 116.09,100.34 113.2,97.45 arc(112.87,97.23) 112.49,97.16 v1(96.46,97.16) ; 77.38,99.69 72.69,95 arc(71.51,93.23) 71.09,91.15 v1(71.09,86.59) 71.09,77.35 arc(71.51,75.27) 72.69,73.5 v1(78.59,67.59) 78.59,55.6 arc(79.01,53.52) 80.19,51.75 v1(83.34,48.59) 83.34,41.35 arc(83.76,39.27) 84.94,37.5 v1(92.84,29.59) ; 77.38,99.69 78.24,98.83 arc(78.95,98.35) 79.79,98.19 v1(91.17,98.19) ; 77.38,99.69 v1(88.09,110.41) ; R9.1 92.83,29.58
COL4: length 138.2
  Top w0.25: v1(111.84,29.59) 110.59,29.59 ; v1(107.09,110.34) 106.1,110.34 ; v1(90.09,86.59) 91.87,86.59 ; v1(97.59,67.59) 96.69,67.59 ; v1(102.34,48.59) 101.58,48.59
  Bottom w0.25: R10.1 v1(111.84,29.59) 103.94,37.5 arc(102.76,39.27) 102.34,41.35 v1(102.34,48.59) 99.19,51.75 arc(98.01,53.52) 97.59,55.6 v1(97.59,67.59) 91.69,73.5 arc(90.51,75.27) 90.09,77.35 v1(90.09,86.59) 90.09,91.09 arc(90.51,93.17) 91.69,94.94 95.47,98.72 v1(107.09,110.34) ; U2.14 114.94,101.28 arc(114.61,101.21) 114.34,101.03 112.58,99.27 arc(112.14,98.98) 111.63,98.88 95.67,98.88
COL5: length 148.3
  Top w0.25: v1(130.84,29.59) 129.29,29.59 ; v1(128.7,101.93) 128.7,101.93 128.7,101.93 v1(122.36,101.93) ; v1(135.59,110.34) 134.56,110.34 ; v1(116.59,67.59) 115.25,67.59 ; v1(133.22,10.59) 132.16,10.59 ; v1(109.09,86.59) 110.25,86.59 ; v1(121.34,48.59) 119.74,48.59
  Bottom w0.25: v1(128.7,101.93) 128.7,109.55 arc(128.94,110.11) 129.5,110.34 v1(135.59,110.34) ; R11.1 133.15,10.62 arc(133.19,10.61) v1(133.22,10.59) 133.22,18.08 arc(133.07,18.85) 132.63,19.5 131.43,20.7 arc(131,21.35) 130.84,22.11 v1(130.84,29.59) 122.94,37.5 arc(121.76,39.27) 121.34,41.35 v1(121.34,48.59) 118.19,51.75 arc(117.01,53.52) 116.59,55.6 v1(116.59,67.59) 110.69,73.5 arc(109.51,75.27) 109.09,77.35 v1(109.09,86.59) 111.42,86.59 arc(113.59,87.03) 115.43,88.26 121.23,94.05 arc(122.07,95.31) 122.36,96.79 v1(122.36,101.93) U2.15
COL6: length 133.5
  Top w0.25: v1(149.84,29.59) 148.65,29.59 ; v1(140.34,48.59) 139.13,48.59 ; v1(154.59,110.34) 153.04,110.34 ; v1(135.59,67.59) 134.21,67.59 ; v1(128.09,86.59) 129.17,86.59
  Bottom w0.25: 137.27,95.76 v1(128.09,86.59) 128.09,77.35 arc(128.51,75.27) 129.69,73.5 v1(135.59,67.59) 135.59,55.6 arc(136.01,53.52) 137.19,51.75 v1(140.34,48.59) 140.34,41.35 arc(140.76,39.27) 141.94,37.5 v1(149.84,29.59) R14.1 ; 137.27,95.76 133.48,99.55 arc(133,99.87) 132.43,99.98 U2.5 ; 137.27,95.76 150.87,109.37 arc(151.95,110.09) 153.22,110.34 v1(154.59,110.34)
